# Altium PCB PDB_Core_v1.1_PCB.PcbDoc (part 1 of 2) (continued)
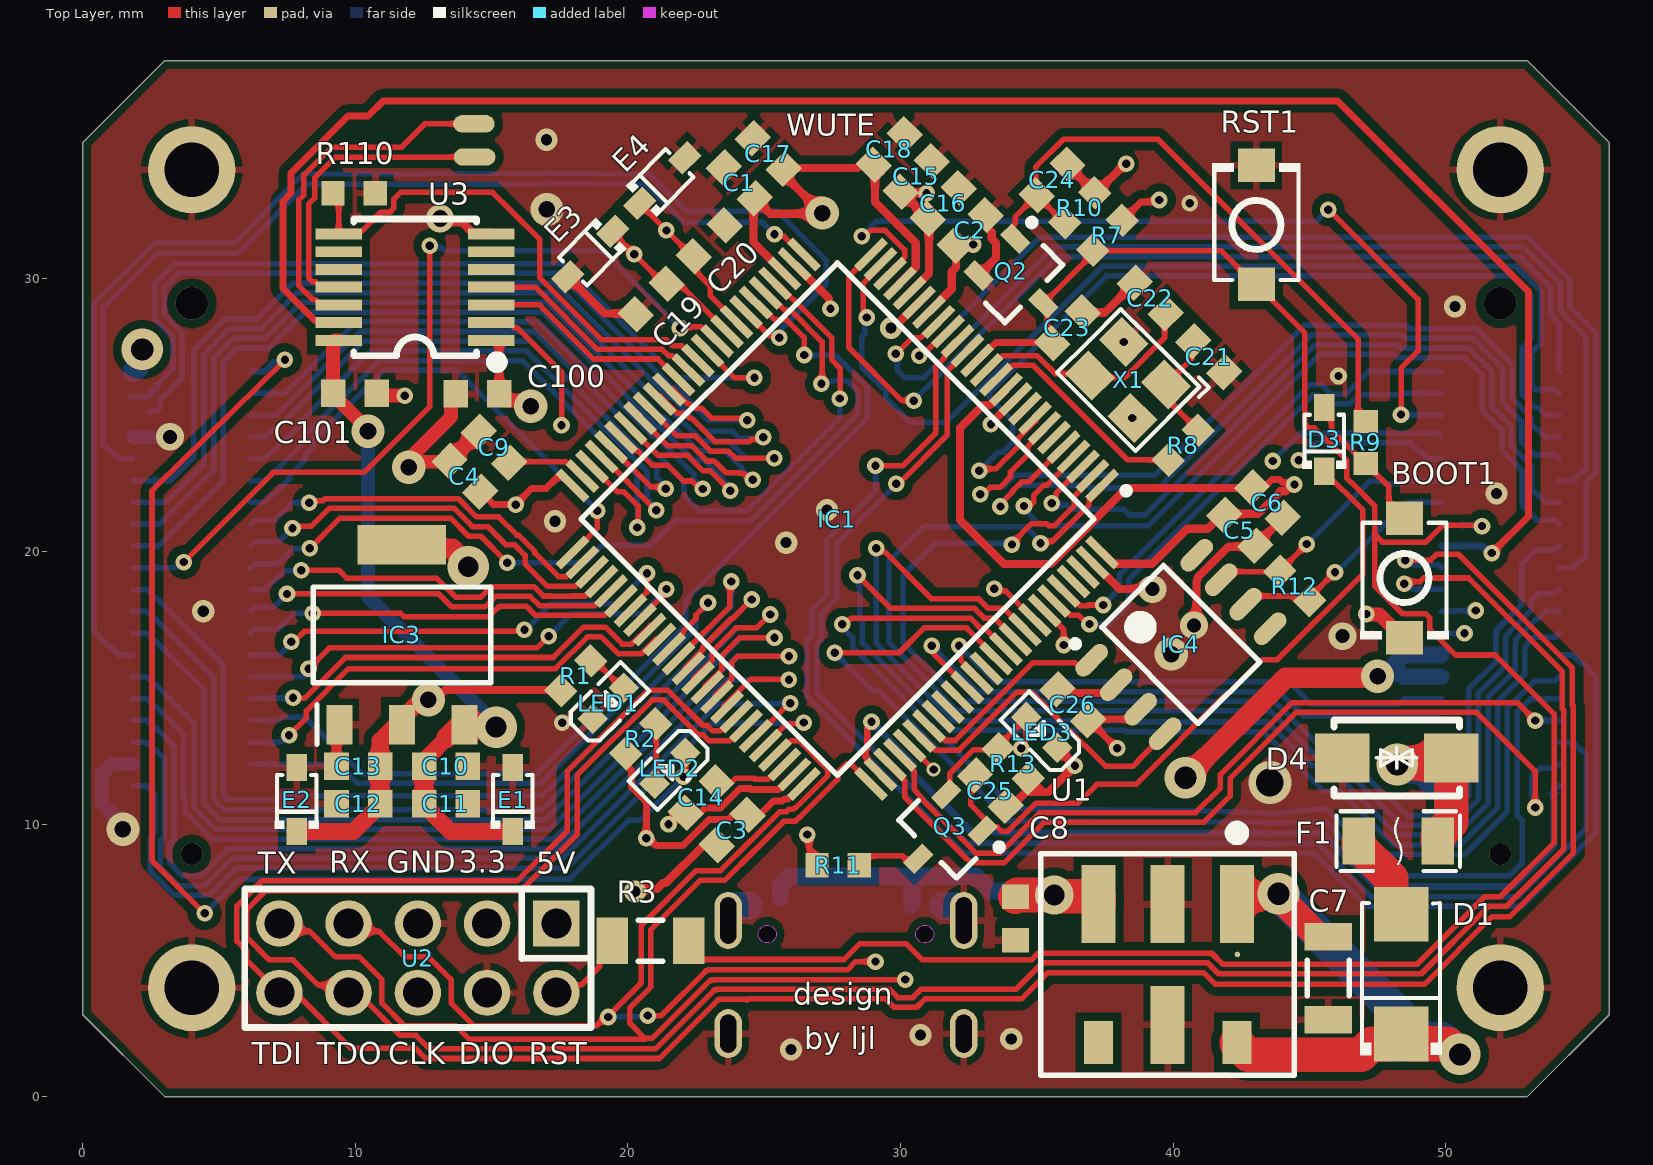
[diagram p0: Top Layer view]
## Components (designator, comment, footprint, x,y, rotation, side; value= is the part's Value field where it differs from the comment)
BOOT1 "TS-1088-AR02016" SW-SMD_L3.9-W3.0-P4.45 48.489,19.025 r270 top
C1 "100nF" CAPC1608X08N__0603CAPUNPOLE 24.079,33.528 r315 top
C2 "100nF" CAPC1608X08N__0603CAPUNPOLE 32.563,31.775 r225 top
C3 "100nF" CAPC1608X08N__0603CAPUNPOLE 23.825,9.779 r45 top
C4 "100nF" CAPC1608X08N__0603CAPUNPOLE 14.021,22.758 r315 top
C5 "100nF" CAPC1608X08N__0603CAPUNPOLE 42.443,20.777 r135 top
C6 "100nF" CAPC1608X08N__0603CAPUNPOLE 43.459,21.793 r135 top
C7 "10uF 50V" CAPC3216X16N_1206CAPUNPOLE 45.695,4.343 r90 top
C8 "22uF\10V" CAPC1608X08N__0603CAPUNPOLE 34.214,6.528 r90 top
C9 "2.2uF" CAPC1608X08N__0603CAPUNPOLE 15.088,23.825 r135 top
C10 "10uF" CAPC1608X08N__0603CAPUNPOLE 13.322,12.116 r180 top
C11 "100nF" CAPC1608X08N__0603CAPUNPOLE 13.322,10.744 r180 top
C12 "10uF" CAPC1608X08N__0603CAPUNPOLE 10.109,10.744 r0 top
C13 "100nF" CAPC1608X08N__0603CAPUNPOLE 10.109,12.116 r0 top
C14 "2.2uF" CAPC1608X08N__0603CAPUNPOLE 22.682,10.973 r225 top
C15 "100nF" CAPC1608X08N__0603CAPUNPOLE 30.582,33.757 r225 top
C16 "10uF" CAPC1608X08N__0603CAPUNPOLE 31.572,32.766 r225 top
C17 "10uF" CAPC1608X08N__0603CAPUNPOLE 25.146,34.595 r315 top
C18 "100nF" CAPC1608X08N__0603CAPUNPOLE 29.591,34.747 r225 top
C19 "100nF" CAPC1608X08N__0603CAPUNPOLE 20.853,29.261 r45 top
C20 "100nF" CAPC1608X08N__0603CAPUNPOLE 22.987,31.394 r225 top
C21 "12pF" CAPC1608X08N__0603CAPUNPOLE 41.307,27.146 r315 top
C22 "12pF" CAPC1608X08N__0603CAPUNPOLE 39.16,29.293 r315 top
C23 "100nF" CAPC1608X08N__0603CAPUNPOLE 36.126,28.201 r225 top
C24 "100nF" CAPC1608X08N__0603CAPUNPOLE 35.56,33.63 r225 top
C25 "100nF" CAPC1608X08N__0603CAPUNPOLE 33.299,11.227 r135 top
C26 "100nF" CAPC1608X08N__0603CAPUNPOLE 36.322,14.376 r315 top
C100 "100nF" CAPC1608X08N__0603CAPUNPOLE 14.478,25.781 r0 top
C101 "100nF" CAPC1608X08N__0603CAPUNPOLE 9.982,25.806 r180 top
CN1 "BTB_0.8mm_40Pin_Father" BTB_0.8MM_40PIN_F 4,19 r180 bottom
CN2 "BTB_0.8mm_40Pin_Father" BTB_0.8MM_40PIN_F 52,19 r180 bottom
D1 "SS34" SMA_L4.3-W2.6-LS5.2-RD 48.362,4.496 r90 top
D3 "1N4148WS_C2128" SOD-323_L1.8-W1.3-LS2.5-RD 45.542,24.11 r90 top
D4 "SMAJ28CA" SMA_L4.3-W2.5-LS5.0-BI 48.209,12.421 r0 top
E1 "CESD5V0D3 ZA" SOD-323_L1.8-W1.3-LS2.5-RD 15.773,10.897 r90 top
E2 "CESD3V3D3 YU" SOD-323_L1.8-W1.3-LS2.5-RD 7.849,10.897 r90 top
E3 "CESD3V3D3 YU" SOD-323_L1.8-W1.3-LS2.5-RD 18.618,30.912 r225 top
E4 "CESD3V3D3 YU" SOD-323_L1.8-W1.3-LS2.5-RD 21.26,33.604 r45 top
F1 "JK-nSMD050-30" F1206 48.26,9.373 r180 top
IC1 "STM32F407VET6" QFP50P1600X1600X160-100N 27.686,21.184 r225 top
IC3 "AMS1117-3.3" SOT229P700X180-4N 11.709,16.942 r90 top
IC4 "TJA1050T_CM,118" SOIC127P600X175-8N 40.284,16.586 r315 top
LED1 "0603_R" LED0603-RD_RED 19.279,14.427 r45 top
LED2 "0603_R" LED0603-RD_RED 21.539,12.04 r225 top
LED3 "0603_R" LED0603-RD_RED 35.179,13.36 r135 top
Q2 "S8050-SOT23" SOT95P245X110-3N 34.392,29.947 r135 top
Q3 "S8050-SOT23" SOT95P245X110-3N 31.496,9.576 r45 top
R1 "1K" RESC1608X04N_0603RES 18.085,15.443 r45 top
R2 "1K" RESC1608X04N_0603RES 20.472,13.132 r225 top
R3 "1K" RESC3116X06N__1206RES 20.828,5.715 r0 top
R7 "10k" RESC1608X04N_0603RES 37.592,31.598 r45 top
R8 "22Ω" RESC1608X04N_0603RES 40.375,23.891 r45 top
R9 "10K" RESC1608X04N_0603RES 47.066,23.996 r90 top
R10 "10K" RESC1608X04N_0603RES 36.576,32.614 r225 top
R11 "1K" RESC1608X04N_0603RES 27.711,8.484 r180 top
R12 "120Ω" RESC1608X04N_0603RES 44.465,18.731 r135 top
R13 "10K" RESC1608X04N_0603RES 34.138,12.217 r135 top
R110 "10K" RESC1608X04N_0603RES 9.957,33.147 r180 top
RST1 "TS-1088-AR02016" SW-SMD_L3.9-W3.0-P4.45 43.053,31.979 r90 top
U1 "K7805MT_1000R4" K7805MT_500R4 39.802,4.846 r180 top
U2 "ZX-PZ2.54-2-5PZZ" HDR-TH_10P-P2.54-V-M-R2-C5-S2.54 12.294,5.08 r180 top
U3 "TXS0104EPWR" TSSOP-14_L5.0-W4.4-P0.65-LS6.4-BL 12.192,29.693 r90 top
USB1 "TYPE-C16PIN" USB-C-SMD_TYPE-C16PIN 28,4.673 r180 bottom
X1 "X322525MOB4SI" OSC-SMD_4P-L3.2-W2.5-BL 38.347,26.289 r135 top value=25MHz

## Footprints (in the part's own frame and the unit in brackets; to place one, negate y for a bottom-side part, rotate by r counter-clockwise, add the part's x,y. Pads: shape width x height; smd on the part's side, far side on the other; paste and mask are expansions set on the pad)
BTB_0.8MM_40PIN_F [mm] "0.8单槽板对板公母座合高5.0，母座，40PIN"
  rect 1.5x0.5 smd: 1(2.16,7.6) 2(2.16,6.8) 3(2.16,6) 4(2.16,5.2) 5(2.16,4.4) 6(2.16,3.6) 7(2.16,2.8) 8(2.16,2) 9(2.16,1.2) 10(2.16,0.4) 11(2.16,-0.4) 12(2.16,-1.2) 13(2.16,-2) 14(2.16,-2.8) 15(2.16,-3.6) 16(2.16,-4.4) 17(2.16,-5.2) 18(2.16,-6) 19(2.16,-6.8) 20(2.16,-7.6) 21(-2.16,-7.6) 22(-2.16,-6.8) 23(-2.16,-6) 24(-2.16,-5.2) 25(-2.16,-4.4) 26(-2.16,-3.6) 27(-2.16,-2.8) 28(-2.16,-2) 29(-2.16,-1.2) 30(-2.16,-0.4) 31(-2.16,0.4) 32(-2.16,1.2) 33(-2.16,2) 34(-2.16,2.8) 35(-2.16,3.6) 36(-2.16,4.4) 37(-2.16,5.2) 38(-2.16,6) 39(-2.16,6.8) 40(-2.16,7.6)
  silkscreen extent -2.16,-11 2.16,11
CAPC1608X08N__0603CAPUNPOLE [mm] "Chip Capacitor, 2-Leads, Body 1.60x0.80mm, IPC Medium Density"
  rect 0.9x1 smd: 1(-0.8,0) 2(0.8,0)
  body extent -0.8,-0.4 0.8,0.4, height 0.81
CAPC3216X16N_1206CAPUNPOLE [mm] "Chip Capacitor, 2-Leads, Body 3.20x1.60mm, IPC Medium Density"
  rect 1x1.75 smd: 1(-1.525,0) 2(1.525,0)
  silkscreen extent -0.65,-0.77 0.65,0.77, body extent -1.6,-0.8 1.6,0.8, height 1.7
F1206 [mm]
  rect 1.19x1.728 smd: 1(-1.445,0) 2(1.445,0)
  silkscreen extent -2.27,-1.09 2.27,1.09
HDR-TH_10P-P2.54-V-M-R2-C5-S2.54 [mm]
  rect 1.7x1.7 hole 1.1: 1(-5.08,-1.27)
  round 1.7 hole 1.1: 2(-5.08,1.27) 3(-2.54,-1.27) 4(-2.54,1.27) 5(0,-1.27) 6(0,1.27) 7(2.54,-1.27) 8(2.54,1.27) 9(5.08,-1.27) 10(5.08,1.27)
  silkscreen extent -6.35,-2.54 6.35,2.54
K7805MT_500R4 [mm]
  round 0.2 smd mask+0.1: 0(-2.557,-0.369)
  rect 1.25x2.87 smd mask+0.102: 1(-2.54,-2.215) 2(0,-2.215) 3(2.54,-2.215) 5(0,2.215)
  rect 1.05x1.58 smd mask+0.102: 4(2.54,2.86) 6(-2.54,2.86)
  silkscreen extent -4.65,-5.03 4.65,4.06, body extent -4.37,-3.53 4.63,3.47, height 3.1
LED0603-RD_RED [mm]
  rect 0.8x0.8 smd: 1(-0.8,-0.003) 2(0.8,0.003)
  silkscreen extent -1.49,-0.75 1.39,0.76
OSC-SMD_4P-L3.2-W2.5-BL [mm]
  rect 1.4x1.2 smd: 1(-1.1,-0.875) 2(1.1,-0.875) 3(1.1,0.875) 4(-1.1,0.875)
  silkscreen extent -2.29,-1.9 2.03,1.65
QFP50P1600X1600X160-100N [mm]
  rect 1.475x0.3 smd: 1(-7.738,6) 2(-7.738,5.5) 3(-7.738,5) 4(-7.738,4.5) 5(-7.738,4) 6(-7.738,3.5) 7(-7.738,3) 8(-7.738,2.5) 9(-7.738,2) 10(-7.738,1.5) 11(-7.738,1) 12(-7.738,0.5) 13(-7.738,0) 14(-7.738,-0.5) 15(-7.738,-1) 16(-7.738,-1.5) 17(-7.738,-2) 18(-7.738,-2.5) 19(-7.738,-3) 20(-7.738,-3.5) 21(-7.738,-4) 22(-7.738,-4.5) 23(-7.738,-5) 24(-7.738,-5.5) 25(-7.738,-6) 51(7.738,-6) 52(7.738,-5.5) 53(7.738,-5) 54(7.738,-4.5) 55(7.738,-4) 56(7.738,-3.5) 57(7.738,-3) 58(7.738,-2.5) 59(7.738,-2) 60(7.738,-1.5) 61(7.738,-1) 62(7.738,-0.5) 63(7.738,0) 64(7.738,0.5) 65(7.738,1) 66(7.738,1.5) 67(7.738,2) 68(7.738,2.5) 69(7.738,3) 70(7.738,3.5) 71(7.738,4) 72(7.738,4.5) 73(7.738,5) 74(7.738,5.5) 75(7.738,6)
  rect 0.3x1.475 smd: 26(-6,-7.738) 27(-5.5,-7.738) 28(-5,-7.738) 29(-4.5,-7.738) 30(-4,-7.738) 31(-3.5,-7.738) 32(-3,-7.738) 33(-2.5,-7.738) 34(-2,-7.738) 35(-1.5,-7.738) 36(-1,-7.738) 37(-0.5,-7.738) 38(0,-7.738) 39(0.5,-7.738) 40(1,-7.738) 41(1.5,-7.738) 42(2,-7.738) 43(2.5,-7.738) 44(3,-7.738) 45(3.5,-7.738) 46(4,-7.738) 47(4.5,-7.738) 48(5,-7.738) 49(5.5,-7.738) 50(6,-7.738) 76(6,7.738) 77(5.5,7.738) 78(5,7.738) 79(4.5,7.738) 80(4,7.738) 81(3.5,7.738) 82(3,7.738) 83(2.5,7.738) 84(2,7.738) 85(1.5,7.738) 86(1,7.738) 87(0.5,7.738) 88(0,7.738) 89(-0.5,7.738) 90(-1,7.738) 91(-1.5,7.738) 92(-2,7.738) 93(-2.5,7.738) 94(-3,7.738) 95(-3.5,7.738) 96(-4,7.738) 97(-4.5,7.738) 98(-5,7.738) 99(-5.5,7.738) 100(-6,7.738)
  silkscreen extent -8.35,-6.65 6.65,6.87, body extent -8,-8 8,8, height 1.6
RESC1608X04N_0603RES [mm] "Chip Resistor, 2-Leads, Body 1.60x0.80mm, IPC Medium Density"
  rect 0.85x0.9 smd: 1(-0.775,0) 2(0.775,0)
  body extent -0.8,-0.4 0.8,0.4, height 0.47
RESC3116X06N__1206RES [mm] "Chip Resistor, 2-Leads, Body 3.10x1.58mm, IPC Medium Density"
  rect 1.15x1.7 smd: 1(-1.4,0) 2(1.4,0)
  silkscreen extent -0.45,-0.75 0.45,0.75, body extent -1.6,-0.8 1.6,0.8, height 0.62
SMA_L4.3-W2.5-LS5.0-BI [mm]
  rect 2x1.8 smd: 1(-2,0) 2(2,0)
  silkscreen extent -2.3,-1.4 2.3,1.4
SMA_L4.3-W2.6-LS5.2-RD [mm]
  rect 2x2 smd: 1(-2.2,0) 2(2.2,0)
  silkscreen extent -2.98,-1.5 2.6,1.5
SOD-323_L1.8-W1.3-LS2.5-RD [mm]
  rect 1x0.75 smd: 1(-1.173,0) 2(1.173,0)
  silkscreen extent -1.08,-0.8 0.9,0.8
SOIC127P600X175-8N [mm] "SOIC, 8-Leads, Body 4.90x3.89mm, Pitch 1.27mm, IPC Medium Density"
  oval 0.6x1.45 smd: 1(-1.905,-2.725) 2(-0.635,-2.725) 3(0.635,-2.725) 4(1.905,-2.725) 5(1.905,2.725) 6(0.635,2.725) 7(-0.635,2.725) 8(-1.905,2.725)
  silkscreen extent -2.88,-2.85 2.5,1.6, body extent -2.5,-3.08 2.5,3.08, height 2
SOT95P245X110-3N [mm] "SOT23, 3-Leads, Body 2.90x2.45mm, Pitch 0.95mm, IPC Medium Density"
  rect 1x0.6 smd: 1(1.2,-0.95) 2(1.2,0.95) 3(-1.2,0)
  silkscreen extent -0.7,-1.92 1.32,1.5, body extent -1.18,-1.45 1.18,1.45, height 1
SOT229P700X180-4N [mm]
  rect 1.45x0.95 smd: 1(-3.3,2.29) 2(-3.3,0) 3(-3.3,-2.29)
  rect 1.45x3.25 smd: 4(3.3,0)
  silkscreen extent -4.03,-3.25 1.75,3.25, body extent -3.35,-3.15 3.35,3.15, height 1.8
SW-SMD_L3.9-W3.0-P4.45 [mm]
  rect 1.23x1.36 smd: 1(-2.185,0) 2(2.185,0)
  silkscreen extent -2.03,-1.62 2.25,1.62
TSSOP-14_L5.0-W4.4-P0.65-LS6.4-BL [mm]
  rect 0.4x1.7 smd: 1(-1.95,-2.8) 2(-1.3,-2.8) 3(-0.65,-2.8) 4(0,-2.8) 5(0.65,-2.8) 6(1.3,-2.8) 7(1.95,-2.8) 8(1.95,2.8) 9(1.3,2.8) 10(0.65,2.8) 11(0,2.8) 12(-0.65,2.8) 13(-1.3,2.8) 14(-1.95,2.8)
  silkscreen extent -2.95,-3.2 2.5,2.25
USB-C-SMD_TYPE-C16PIN [mm]
  oval 1x2.1 hole 0.6 slot 1.7 at 90 deg: 1(-4.32,1.787) 2(4.32,1.787)
  oval 1x1.8 hole 0.6 slot 1.4 at 90 deg: 3(-4.32,-2.362) 4(4.32,-2.362)
  rect 0.6x1.15 smd paste-100: A1B12(-3.2,2.362) A4B9(-2.4,2.362) B1A12(3.2,2.362) B4A9(2.4,2.362)
  rect 0.3x1.15 smd paste-100: A5(-1.25,2.362) A6(-0.25,2.362) A7(0.25,2.362) A8(-1.75,2.362) B5(1.75,2.362) B6(0.75,2.362) B7(-0.75,2.362) B8(1.25,2.362)
  Keep-Out Layer board cut-out: -2.565,1.288 -2.565,1.353 -2.614,1.472 -2.706,1.564 -2.825,1.613 -2.955,1.613 -3.074,1.564 -3.165,1.472 -3.215,1.353 -3.215,1.288 -3.215,1.224 -3.166,1.104 -3.074,1.013 -2.955,0.963 -2.825,0.963 -2.706,1.013 -2.615,1.104 -2.565,1.223 -2.565,1.288 -2.565,1.288
  Keep-Out Layer board cut-out: 3.215,1.288 3.215,1.353 3.166,1.472 3.074,1.564 2.955,1.613 2.825,1.613 2.706,1.564 2.615,1.472 2.565,1.353 2.565,1.288 2.565,1.224 2.614,1.104 2.706,1.013 2.825,0.963 2.955,0.963 3.074,1.013 3.165,1.104 3.215,1.223 3.215,1.288 3.215,1.288
  silkscreen extent -4.45,-5 4.45,0.52

## Part data
BOOT1 RST1: "Switch", Manufacturer_Name=XUNPU, Datasheet Link=https://www.xunpudianzi.com/uploads/pdf/TS-1088-ARXXX.pdf, Height=2mm, Manufacturer_Part_Number=TS-1088-AR02016
C1 C2 C3 C4 C5 C6 C9 C10 C11 C12 C13 C14 C15 C16 C17 C18 C19 C20 C21 C22 C23 C24 C25 C26 C100 C101: library part SMD_MLCC, "Std MLCC Cap", voltage rating=?V
  C1 C2 C3 C4 C5 C6 C11 C13 C15 C18 C19 C20 C23 C24 C25 C26 C100 C101: Type=100nF
  C9 C14: Type=2.2uF
  C10 C12 C16 C17: Type=10uF
  C21 C22: Type=12pF
C7 C8: library part SMD_MLCC, "Std MLCC Cap"
  C7: Type="10uF 50V"
  C8: Type=22uF\10V
D1: library part SS34_C8678, "二极管配置:独立式;直流反向耐压(Vr):40V;平均整流电流(Io):3A;正向压降(Vf):550mV@3A; C8678", Average Rectified Current (Io)=3A, Forward Voltage (Vf@If)=550mV@3A, LCSC Part Name="40V 3A 550mV@3A", Manufacturer=MDD, Reverse Leakage Current (Ir)=500uA@40V, Reverse Voltage (Vr)=40V, Add into BOM=yes, Convert to PCB=yes, Datasheet=https://atta.szlcsc.com/upload/public/pdf/source/20230314/A80AE34493C69B89E2F4B1712F433538.pdf, Device=SS34_C8678, Diode Configuration=独立式, Manufacturer Part=SS34, Name=SS34, Supplier=LCSC, Supplier Footprint=SMA(DO-214AC), Supplier Part=C8678, Symbol=SS34_C8678
D3: "二极管配置:独立式;功率:200mW;直流反向耐压(Vr):100V;平均整流电流(Io):150mA;正向压降(Vf):1.25V@150mA;反向电流(Ir):1uA@75V;反向恢复时间(trr):4ns;工作温度:+150℃@(Tj);", Average Rectified Current (Io)=150mA, Forward Voltage (Vf@If)=1.25V@150mA, LCSC Part Name="100V 150mA 4ns T4", Manufacturer=CJ(江苏长电/长晶), Manufacturer Part=1N4148WS, Operating Temperature=+150℃@(Tj), Power Dissipation=200mW, Reverse Leakage Current=1uA@75V, Reverse Voltage (Vr)=100V, Add into BOM=yes, Convert to PCB=yes, Device=1N4148WS_C2128, Diode Configuration=独立式, Name=1N4148WS, Reverse Recovery Time (trr)=4ns, Supplier=LCSC, Supplier Footprint=SOD-323, Supplier Part=C2128, Symbol="1N4148WS T4"
D4: library part SMAJ28CA_C353457, "C353457", Breakdown Voltage=31.1V, JLCPCB Part Class="Extended Part", LCSC Part Name="双向TVS 28V截止 8.8A峰值脉冲", Manufacturer=晶导微电子, Maximum Clamping Voltage=45.4V, Peak Pulse Current (Ipp)@10/1000us=8.8A, Reverse Leakage Current (Ir)=1uA, Reverse Stand-Off Voltage (Vrwm)=28V, Add into BOM=yes, Convert to PCB=yes, Datasheet=https://atta.szlcsc.com/upload/public/pdf/source/20190103/C353498_9C52E1B7CA7D9691073072057BB1DA1A.pdf, Device=SMAJ28CA_C353457, Manufacturer Part=SMAJ28CA, Supplier=LCSC, Supplier Footprint=SMA, Supplier Part=C353457, Symbol=SMAJ28CA_C353457, Type=TVS
E1: Breakdown Voltage (VBR)=6.2V, Clamping Voltage@Ipp=15.5V, JLCPCB Part Class="Extended Part", LCSC Part Name=单向ESD, Manufacturer=CJ(江苏长电/长晶), Peak Pulse Current(Ipp)@8/20us=15A, Reverse Stand-Off Voltage (Vrwm)=5V, Add into BOM=yes, Convert to PCB=yes, Datasheet=https://atta.szlcsc.com/upload/public/pdf/source/20140301/1457707004115.pdf, Device="CESD5V0D3 ZA", Manufacturer Part="CESD5V0D3 ZA", Name="CESD5V0D3 ZA", Polarity=单向, Supplier=LCSC, Supplier Footprint=SOD-323, Supplier Part=C22643, Symbol="CESD5V0D3 ZA"
E2 E3 E4: "极性:单向;反向截止电压(Vrwm):3.3V;击穿电压(VBR):5V;钳位电压(Vc)@Ipp:13V;", Breakdown Voltage (VBR)=5V, Clamping Voltage@Ipp=13V, LCSC Part Name=单向ESD, Manufacturer=CJ(江苏长电/长晶), Peak Pulse Current(Ipp)@8/20us=16A, Reverse Stand-Off Voltage (Vrwm)=3.3V, Add into BOM=yes, Convert to PCB=yes, Datasheet=https://atta.szlcsc.com/upload/public/pdf/source/20150915/1457707371129.pdf, Device="CESD3V3D3 YU", Manufacturer Part="CESD3V3D3 YU", Name="CESD3V3D3 YU", Polarity=单向, Supplier=LCSC, Supplier Footprint=SOD-323, Supplier Part=C38388, Symbol=CESD3V3D3
F1: "C720075", Current Rating (Max)=100A, Hold Current=500mA, JLCPCB Part Class="Extended Part", LCSC Part Name="30V 500mA 1206自恢复", Manufacturer=JK(金科), Operating Temperature=-40℃~+85℃, Operating Voltage (Max)=30V, Power Dissipation=600mW, Resistance - Initial (Ri) (Min)=150mΩ, Resistance - Post Trip (R1) (Max)=300mΩ, Trip Current=1A, Add into BOM=yes, Convert to PCB=yes, Datasheet=https://atta.szlcsc.com/upload/public/pdf/source/20200810/C720075_06AF2D4541537091880CC35F0EFB49F8.pdf, Device=JK-nSMD050-30, Manufacturer Part=JK-nSMD050-30, Maximum Time to Trip=100ms, Name=JK-nSMD050-30, Supplier=LCSC, Supplier Footprint=1206, Supplier Part=C720075, Symbol=JK-NSMD050-30V
IC1: "Integrated Circuit", Manufacturer_Name=STMicroelectronics, Mouser Part Number=511-STM32F407VET6, Arrow Part Number=STM32F407VET6, Arrow Price/Stock=https://www.arrow.com/en/products/stm32f407vet6/stmicroelectronics?region=nac, Datasheet Link=http://www.st.com/web/en/resource/technical/document/datasheet/DM00037051.pdf, Height=1.6mm, Manufacturer_Part_Number=STM32F407VET6, Mouser Price/Stock=https://www.mouser.co.uk/ProductDetail/STMicroelectronics/STM32F407VET6?qs=Z8%252BeY1k3TIJFAMMqSR%252BGtw%3D%3D
IC3: "Integrated Circuit", Manufacturer_Name=Advanced, Datasheet Link=https://datasheet.datasheetarchive.com/originals/distributors/Datasheets-28/DSA-550594.pdf, Height=1.8mm, Manufacturer_Part_Number=AMS1117-3.3
IC4: "Integrated Circuit", Arrow Part Number=TJA1050T/CM,118, Manufacturer_Name=NXP, Mouser Part Number=771-TJA1050T/CM118, Arrow Price/Stock=https://www.arrow.com/en/products/tja1050tcm118/nxp-semiconductors?region=europe, Datasheet Link=http://www.nxp.com/docs/en/data-sheet/TJA1050.pdf, Height=1.75mm, Manufacturer_Part_Number=TJA1050T/CM,118, Mouser Price/Stock=https://www.mouser.co.uk/ProductDetail/NXP-Semiconductors/TJA1050T-CM118?qs=5XOdhvmYM0NFFspw0VP5sA%3D%3D
LED1 LED2 LED3: library part LED, "Light Emitting Diode", Type=0805-R, Type2=DIP-HDR1*2-R
Q2 Q3: library part S8050, "Jellybeam NPN", Type=S8050-SOT23
R1 R2 R3 R7 R8 R9 R10 R11 R12 R13 R110: library part SMD_Resistor, "Std Resistor", power rating=100mW, voltage rating=75V
  R1 R2 R3 R11: Type=1K
  R7: Type=10k
  R8: Type=22Ω
  R9 R10 R13 R110: Type=10K
  R12: Type=120Ω
U1: library part K78052MT_1000R4
U2: Color=黑色, Current Rating (Max)=3A, JLCPCB Part Class="Extended Part", LCSC Part Name="间距:2.54mm 2x5P 直插 方针", Manufacturer=Megastar(兆星), Operating Temperature Range=-40℃~+105℃, Soldering Temperature(Max)=260℃@5s, Voltage Rating (Max)=1kV, Add into BOM=yes, Circluar Pins/Square Pins=方针, Contact Material=黄铜, Contact Plating=金, Convert to PCB=yes, Datasheet=https://atta.szlcsc.com/upload/public/pdf/source/20231122/7DD2FA5A7FDBC10CDDB6051CB6BC6AD1.pdf, Device=ZX-PZ2.54-2-5PZZ, Insulation Height=2.5mm, Length of End Connection Pin=3mm, Length of Mating Pin=6mm, Manufacturer Part=ZX-PZ2.54-2-5PZZ, Mounting Type=直插, Number of Pins=5P, Number of Rows=双排, Pin Structure=2x5P, Pitch=2.54mm, Row Spacing=2.54mm, Supplier=LCSC, Supplier Footprint=插件,P=2.54mm, Supplier Part=C7501276, Symbol=ZX-PZ2.54-2-5PZZ
U3: "C44955 电平转换芯片", JLCPCB Part Class="Extended Part", Manufacturer=TI(德州仪器), Operating Temperature=-40℃~+85℃, Supply Voltage (VCCA)=1.65V~3.6V, Supply Voltage (VCCB)=2.3V~5.5V, Add into BOM=yes, Channel Type=双向, Channels per Circuit=4, Convert to PCB=yes, Data Rate=24Mbps, Datasheet=https://www.ti.com/cn/lit/gpn/txs0104e, Device=TXS0104EPWR, Features=自动方向检测, LCSC Part Name=TXS0104EPWR, Manufacturer Part=TXS0104EPWR, Name=TXS0104EPWR, Number of Circuits=1, Output Type=推挽式；开路漏极, Supplier=LCSC, Supplier Footprint=TSSOP-14, Supplier Part=C44955, Symbol=TXS0104EPWR
USB1: "C393939", Current Rating - Power (Max)=3A, JLCPCB Part Class="Extended Part", LCSC Part Name="Type-C 母 卧贴", Manufacturer="SHOU HAN(首韩)", Operating Temperature Range=-40℃~+85℃, Add into BOM=yes, Connector Type=Type-C, Convert to PCB=yes, Datasheet=https://atta.szlcsc.com/upload/public/pdf/source/20190521/C393939_7B9043D4CF1026AF443AB60D91FBCD5C.pdf, Device=TYPE-C16PIN, Gender=母, Manufacturer Part=TYPE-C16PIN, Mounting Style=卧贴, Number of Contacts=16P, Number of Ports=1, Standard=-, Supplier=LCSC, Supplier Footprint=SMD, Supplier Part=C393939, Symbol=TYPE-C16PIN
X1: "频率:25MHz;频率公差:±10ppm;负载电容:12pF;", Frequency Stability=±30ppm, Frequency Tolerance=±10ppm, LCSC Part Name="25MHz ±10ppm 12pF YSX321SL", Load Capacitance=12pF, Manufacturer=YXC(扬兴晶振), Operating Temperature=-40℃~+85℃, Add into BOM=yes, Convert to PCB=yes, Crystal Type=贴片无源晶振, Datasheet=https://atta.szlcsc.com/upload/public/pdf/source/20210329/C112971_1F611BDC486E193C1706F6D8EB5AA189.pdf, Device=X322525MOB4SI, Manufacturer Part=X322525MOB4SI, Name=25MHz, Supplier=LCSC, Supplier Footprint=SMD3225-4P, Supplier Part=C9006, Symbol=X322525MOB4SI
CN1 CN2: System=Connector

## Free pads (board coordinates)
  round 3.2 hole 2: 3(4,4) 4(4,34) 5(52,34) 6(52,4)
  oval 1.524x0.635 smd: 7(14.351,35.687) 7(14.376,34.468)

## Via types
v1: diameter 0.61, hole 0.305, Top Layer to Bottom Layer, 113 vias
v2: diameter 0.813, hole 0.406, Top Layer to Bottom Layer, 12 vias
v3: diameter 1.219, hole 0.61, Top Layer to Bottom Layer, 9 vias
v4: diameter 1.524, hole 0.813, Top Layer to Bottom Layer, 5 vias
v5: diameter 1.016, hole 0.508, Top Layer to Bottom Layer, 4 vias
v6: diameter 1.524, hole 0.762, Top Layer to Bottom Layer, 2 vias
v7: diameter 1.2, hole 1.2, Top Layer to Bottom Layer, 2 vias
v8: diameter 0.8, hole 0.8, Top Layer to Bottom Layer, 2 vias
v9: diameter 1.016, hole 0.61, Top Layer to Bottom Layer, 1 vias
v10: diameter 0.508, hole 0.305, Top Layer to Bottom Layer, 1 vias
v11: diameter 1.575, hole 1.016, Top Layer to Bottom Layer, 1 vias
v12: diameter 1.422, hole 0.762, Top Layer to Bottom Layer, 1 vias

## Nets (pads, with @x,y where several pads share a name; then routed paths per layer and width w, separated by ;. In a path a pad name is that pad's centre, name@x,y a point inside that pad or via, vN(x,y) a via of type N, cw(c..) or ccw(c..) an arc to the next point about the centre after c; other vN are vias at no path point)
3.3V: BOOT1.2 C1.2 C2.2 C3.2 C4.2 C5.2 C6.2 C12.2 C13.2 C15.2 C16.2 C17.2 C18.2 C100.2 CN1.1 E2.1 IC1.11 IC1.19 IC1.21 IC1.22 IC1.28 IC1.50 IC1.75 IC1.100 IC3.2 IC3.4 R1.1 R2.2 R7.2 R11.2 U2.3 U3.1 | length 214.4
  Top Layer w0.254: C4.2@14.586,22.193 14.6,22.193 15.076,21.717 v1(15.88,21.717) 16.47,22.307 17.002,22.307 17.524,22.828 17.556,22.828 IC1.50@17.972,22.413 ; R2.2@19.924,12.584 19.924,12.162 20.131,11.956 20.131,11.356 20.674,10.813 20.674,9.476 v1(20.676,9.474) 20.772,9.474 21.042,9.204 22.015,9.204 22.976,10.164 23.683,10.164 23.899,10.38 24.356,10.38 C3.2@24.391,10.345 24.426,10.309 24.813,10.309 25.341,10.838 25.66,10.838 25.739,10.916 25.871,10.916 26.425,11.469 IC1.75@26.457,11.469 ; v1(26.583,9.612) 26.651,9.544 26.651,9.08 R11.2@26.911,8.82 ; C18.2@29.272,33.895 C18.2@29.298,33.895 ; R7.2@38.14,32.146 38.819,32.825 39.429,32.825 v1(39.497,32.893) ; C6.2@42.858,22.324 C6.2@42.894,22.359 43.351,22.359 43.623,22.631 43.9,22.631 44.009,22.522 44.382,22.522 v1(44.45,22.454)
  Top Layer w0.305: v3(12.681,14.554) 12.929,14.554 13.287,14.913 17.554,14.913 R1.1@17.613,14.971 ; U3.1@14.992,27.743 15.23,27.743 15.278,27.695 C100.2@15.278,25.781 ; IC1.28@25.75,30.191 24.61,31.331 24.61,32.927 C1.2@24.645,32.962 25.215,32.392 v3@27.109,32.392 ; v3(27.127,32.41) 25.712,33.826 C17.2@25.712,34.029 25.747,34.064 28.417,34.064 28.569,34.217 28.99,34.217 C18.2@29.025,34.182 29.061,34.146 29.061,32.821 30.556,31.325 30.556,30.421 29.976,29.841 IC1.22@29.976,29.837 ; IC1.21@30.329,29.484 30.329,29.487 31.042,30.2 31.042,32.165 C16.2@31.007,32.2 30.051,33.156 30.94,33.156 v1(30.956,33.14) ; IC1.19@31.036,28.777 31.036,28.78 31.879,29.623 31.879,30.27 32.032,30.423 32.032,31.174 32.586,31.174 v1(32.67,31.257) ; IC1.11@33.865,25.948 33.861,25.948 33.285,25.372 33.225,25.372 33.222,25.369 33.019,25.369 32.182,24.532 32.182,21.15 33.792,19.54 35.511,19.54 38.295,22.324 C6.2@42.858,22.324 ; IC1.100@37.4,19.955 37.812,19.543 39.221,19.543 39.224,19.539 40.513,20.828 41.261,20.828 41.776,21.343 C5.2@41.878,21.343 41.913,21.378 43.108,21.378 43.934,22.204 44.118,22.204 v1@44.368,22.454
  Top Layer w0.508: C100.2@15.278,25.781 15.278,25.731 15.474,25.535 v3@16.03,25.535 ; v1(47.092,17.704) 47.111,17.684 47.579,17.684 48.424,16.84 BOOT1.2@48.489,16.84
  Top Layer w0.61: E2.1@7.849,9.724 9.939,9.724 10.909,10.694 C12.2@10.909,10.744 C13.2@10.909,12.116 10.909,12.13 10.904,12.135 10.904,13.061 ; 11.1,13.257 11.373,13.53 11.539,13.53 11.612,13.603 11.612,13.769 v3@12.281,14.438
  Top Layer w0.762: IC3.4@11.709,20.242 12.953,20.145 13.55,20.098 13.77,19.878 v6(14.146,19.438)
  POWER w0.305: v6@14.148,20.067 15.798,21.717 v1(15.88,21.717)
  POWER w0.457: 13.581,15.003 14.146,15.003 15.477,15.003 16.808,13.672 16.808,13.393 18.562,11.639 18.562,11.587 v1(20.676,9.474) 20.717,9.474 20.991,9.2 22.37,9.2 22.782,9.612 v1(26.583,9.612)
  POWER w0.508: 18.898,32.385 19.152,32.639 ; 38.1,32.893 v1(39.497,32.893) ; v1(47.092,17.704) 47.111,17.723 47.111,18.688 47.447,19.025 47.447,19.456
  POWER w0.61: 14.147,25.281 16.391,25.281 v3(16.434,25.324) ; 26.619,35.973 27.127,35.465 v3(27.127,32.41) ; v1(30.956,33.14) 31.648,33.833 31.648,35.973 ; v1(32.67,31.257) 32.963,31.551 33.045,31.551 33.045,35.973 ; v1(44.45,22.454) 44.942,22.454 45.719,23.23 45.719,23.722 46.495,24.498
  POWER w1.016: 14.147,21.682 14.147,25.281 14.147,27.634 18.898,32.385 ; 19.152,32.639 22.486,35.973 26.619,35.973 27.127,35.973 31.648,35.973 33.045,35.973 35.02,35.973 38.1,32.893 46.495,24.498 47.405,23.588 47.405,22.833 47.447,22.791 47.447,19.456
  POWER w1.27: v4(2.184,27.409) 2.253,27.409 5.126,24.536 8.103,24.536 12.421,20.218 13.297,20.218 v6@14.077,19.438 ; v3(12.681,14.554) 12.681,9.62 14.751,7.55 14.751,6.432 U2.3@14.834,6.35 ; v3@13.132,14.554 13.581,15.003 14.146,15.569 v6(14.146,19.438) ; v6@14.098,19.487 14.098,21.274
  Bottom Layer w0.762: CN1.1@1.84,26.6 1.908,26.6 2.039,26.731 2.039,27.263 v4(2.184,27.409)
5V: C8.2 C10.2 C11.2 C26.2 C101.2 CN2.14 CN2.15 E1.1 IC3.3 IC4.3 U1.3 U2.1 U3.14 USB1.A4B9 USB1.B4A9 | length 95.7
  Top Layer w0.254: C26.2@36.913,13.811 v1(37.948,12.776) ; C26.2@36.923,13.846 38.442,13.846 IC4.3@38.807,14.21
  Top Layer w0.508: U3.14@9.392,27.743 9.236,27.743 9.182,27.689 C101.2@9.182,25.806 9.182,25.756 10.465,24.474 v3(10.465,24.409)
  Top Layer w0.61: C10.2@12.522,12.116 C11.2@12.522,10.744 12.522,10.694 13.492,9.724 E1.1@15.773,9.724 ; C10.2@12.667,12.461 13.351,13.145 13.351,13.176
  Top Layer w0.762: 13.351,13.176 13.798,13.603 13.905,13.675 13.936,13.705 13.999,13.769 13.999,13.694 14.093,13.6 15.12,13.6 v6(15.162,13.557) ; v4(40.452,11.694) 44.12,15.361 47.444,15.361 v3(47.501,15.418)
  Top Layer w1.27: C8.2@34.214,7.328 34.28,7.394 v12(35.638,7.394) 35.687,7.345 37.252,7.345 37.262,7.335 U1.3@37.262,7.061
  POWER w0.508: v1(37.948,12.776) 37.948,11.467 37.973,11.442 37.973,10.16
  POWER w1.016: v6(15.162,13.557) 15.162,11.787 17.374,9.576 U2.1@17.374,6.35 ; U2.1@17.958,6.35 20.777,6.35 22.78,8.353 27.135,8.353 28.761,9.978 ; 28.839,10.023 28.884,9.978 37.791,9.978 ; 37.973,10.135 39.205,10.135 40.31,11.24 40.31,11.414 40.452,11.556 v4(40.452,11.694)
  POWER w1.27: v12(35.638,7.394) 35.664,7.394 37.791,9.521 37.791,9.623 ; 37.973,9.978 37.973,10.135 37.973,10.16
  Bottom Layer w0.508: v3(10.465,24.409) 10.465,18.351 15.162,13.654 v6(15.162,13.557)
  Bottom Layer w0.61: v3(47.501,15.418) 47.666,15.418 48.448,16.2 CN2.14@49.84,16.2 ; 48.176,15.526 48.343,15.526 48.469,15.4 CN2.15@49.84,15.4
  Bottom Layer w0.635: USB1.B4A9@25.6,7.293 25.6,7.775 25.907,8.082 30.707,8.082 ; USB1.A4B9@30.4,7.036 30.418,7.053 30.418,7.793 30.707,8.082 ; 34.163,7.544 33.302,7.544 32.764,8.082 30.707,8.082
  Bottom Layer w0.762: 34.163,7.544 34.167,7.539 35.493,7.539 v12(35.638,7.394)
ACCU_PWR_EN: CN1.35 IC1.48 | length 22.9
  Top Layer w0.203: IC1.48@18.69,23.177 18.69,23.109 19.611,22.187 19.854,22.187 20.371,21.67 20.371,20.903 v1(20.347,20.879)
  Bottom Layer w0.203: CN1.35@6.16,22.6 6.66,22.6 6.956,22.896 7.015,22.896 8.1,23.981 8.1,24.209 10.892,27 16.124,27 20.344,22.78 20.344,20.882 v1(20.347,20.879)
ACCU_UBR_EN: CN1.16 IC1.66 | length 34.3
  Top Layer w0.203: IC1.66@23.186,14.698 23.807,15.319 23.807,15.928 24.035,16.156 v1(25.908,16.156)
  Bottom Layer w0.203: CN1.16@1.84,14.6 2.34,14.6 2.636,14.304 2.695,14.304 3.708,13.291 3.708,10.984 3.734,10.959 3.734,10.815 3.734,10.456 4.74,9.449 17.276,9.449 23.984,16.156 v1(25.908,16.156)
Backup_5V_ctrl1: pad.7@14.351,35.687 U3.12 | length 12.9
  Top Layer w0.203: U3.12@9.392,29.043 8.742,29.043 8.546,29.239 8.437,29.239 7.932,29.743 7.932,32.895 8.114,33.077 8.114,33.816 9.121,34.823 11.684,34.823 12.548,35.687 pad.7@14.351,35.687
Backup_5V_ctrl1_a: IC1.39 U3.3 | length 8
  Top Layer w0.203: U3.3@14.992,29.043 16.757,29.043 18.741,27.058 21.104,27.058 IC1.39@21.861,26.302
Backup_5V_ctrl2: pad.7@14.376,34.468 U3.11 | length 11.2
  Top Layer w0.203: U3.11@9.392,29.693 8.742,29.693 8.546,29.889 8.437,29.889 8.288,30.037 8.288,32.748 8.503,32.963 8.503,33.702 9.268,34.468 pad.7@14.376,34.468
Backup_5V_ctrl2_a: IC1.38 U3.4 | length 8.5
  Top Layer w0.203: U3.4@14.992,29.693 16.61,29.693 18.889,27.414 21.252,27.414 21.482,27.183 21.551,27.183 21.553,27.181 21.62,27.181 22.146,26.655 IC1.38@22.214,26.655
BAT_voltage_IN14: C20.2 CN2.5 E4.1 IC1.33 | length 39.9
  Top Layer w0.203: E4.1@20.431,32.775 20.431,32.757 v1(21.412,31.775) 22.359,30.829 C20.2@22.421,30.829 22.421,30.336 23.012,29.746 23.012,29.393 23.914,28.491 23.982,28.491 IC1.33@23.982,28.423
  POWER w0.203: v1(21.412,31.775) 24.887,28.301 24.887,27.559 26.438,26.007 26.438,25.872 26.825,25.486 26.96,25.486 28.138,24.308 29.266,24.308 32.296,24.308 32.603,24.001 35.257,24.001 36.525,22.733 41.946,22.733 43.241,24.028 43.921,24.028 v1(44.608,23.341)
  Bottom Layer w0.203: v1(44.608,23.341) 45.251,23.984 48.697,23.984 48.985,23.696 49.044,23.696 49.34,23.4 CN2.5@49.84,23.4
BAT_voltage_IN15: C19.2 CN2.4 E3.1 IC1.34 | length 39.9
  Top Layer w0.203: E3.1@19.447,31.741 19.447,31.686 v1(20.229,30.905) 21.307,29.826 21.872,29.826 IC1.34@23.629,28.069
  POWER w0.203: v1(20.229,30.905) 20.229,30.814 22.282,28.76 23.183,28.76 26.083,25.86 26.083,25.725 26.678,25.13 26.813,25.13 27.991,23.952 32.149,23.952 32.456,23.645 35.11,23.645 36.377,22.377 42.711,22.377 v1(43.651,23.317)
  Bottom Layer w0.203: v1(43.651,23.317) 44.673,24.34 49.7,24.34 CN2.4@49.84,24.2
BDU_PWR_EN: CN1.28 IC1.56 | length 14.4
  Top Layer w0.203: v1(8.433,17.729) 11.663,17.729 11.783,17.609 14.904,17.609 15.219,17.925 cw(c15.363,17.781) 15.359,17.984 16.097,17.996 16.265,17.996 16.325,17.936 16.608,17.653 16.86,17.653 16.862,17.651 18.251,17.651 18.253,17.653 19.137,17.653 19.671,18.187 IC1.56@19.74,18.187
  Bottom Layer w0.203: CN1.28@6.16,17 6.308,17.148 7.172,17.148 7.753,17.729 v1(8.433,17.729)
BOOT0: IC1.94 LED3.2 Q3.2 R13.2 | length 11.6
  Top Layer w0.203: Q3.2@31.763,11.238 31.814,11.288 31.814,11.646 31.808,11.652 31.808,11.862 32.664,12.718 33.085,12.718 33.165,12.799 33.521,12.799 LED3.2@34.611,13.889 ; v1(34.431,12.776) 34.431,12.886 34.611,13.066 LED3.2@34.611,13.889 ; LED3.2@34.611,13.923 LED3.2@34.611,13.889 ; IC1.94@35.279,17.833 35.987,17.125 v1(35.987,16.568)
  POWER w0.203: v1(34.431,12.776) 36.108,14.453 36.108,16.273 36.065,16.316 36.065,16.49 v1(35.987,16.568)
BSPD_PWR_EN: CN1.36 IC1.47 | length 22.4
  Top Layer w0.203: IC1.47@19.071,23.473 v1(21.036,21.508)
  Bottom Layer w0.203: CN1.36@6.16,23.4 6.66,23.4 6.956,23.696 7.015,23.696 7.964,24.645 7.964,24.753 10.566,27.356 16.271,27.356 17.945,25.683 20.46,23.168 20.7,22.928 20.7,21.954 21.036,21.618 v1(21.036,21.508)
BUZZER_PWR_EN: CN1.22 IC1.61 | length 22.4
  Top Layer w0.203: IC1.61@21.473,16.453 22.033,17.014 22.033,17.081 22.497,17.545 22.497,17.673 v1(22.936,18.112)
  Bottom Layer w0.203: CN1.22@6.16,12.2 9.37,12.2 10.076,11.494 16.807,11.494 22.479,17.166 22.479,17.655 v1(22.936,18.112)
CAN1_RX_PD0: IC1.81 IC4.4 | length 11.8
  Top Layer w0.203: IC1.81@30.683,13.237 30.751,13.237 31.281,12.707 32.15,12.707 34.28,14.837 34.795,14.837 36.747,12.885 36.764,12.885 37.533,12.116 38.526,12.116 38.695,12.285 38.695,12.303 IC4.4@39.705,13.312
CAN1_TX_PD1: IC1.82 IC4.1 | length 7.5
  Top Layer w0.203: IC1.82@31.036,13.591 31.105,13.591 31.633,13.063 32.003,13.063 34.847,15.907 36.401,15.907 36.527,15.782 36.786,15.782 IC4.1@37.01,16.006
CAN_H: CN2.6 IC4.7 R12.2 | length 9.7
  Top Layer w0.203: IC4.7@41.762,18.962 42.061,19.261 43.899,19.261 R12.2@43.917,19.279 v1(44.907,20.269)
  Bottom Layer w0.203: v1(44.907,20.269) 47.219,22.581 47.706,22.581 47.801,22.485 48.349,22.485 48.464,22.6 CN2.6@49.84,22.6
CAN_L: CN2.7 IC4.6 R12.1 | length 9
  Top Layer w0.203: IC4.6@42.66,18.064 42.961,18.365 44.338,18.365 44.538,18.165 44.995,18.165 44.995,18.294 v1(45.939,19.238)
  Bottom Layer w0.203: v1(45.939,19.238) 46.009,19.238 48.572,21.8 CN2.7@49.84,21.8
DRS_CTRL: CN2.9 U3.13 | length 68.4
  Top Layer w0.254: U3.13@9.392,28.393 9.319,28.466 8.524,28.466 7.341,29.649 7.341,32.842 7.639,33.141 7.639,33.88 9.725,35.966 10.465,35.966 11.024,36.525 46.034,36.525 53.032,29.527 53.032,21.282 v1(51.689,19.939)
  Bottom Layer w0.254: CN2.9@49.84,20.2 51.332,20.2 51.593,19.939 v1(51.689,19.939)
DRS_CTRL_a: IC1.93 U3.2 | length 26.7
  Top Layer w0.203: U3.2@14.992,28.393 15.642,28.393 15.838,28.197 15.947,28.197 17.565,26.579 v1(17.565,24.626) ; v1(33.434,18.626) 33.512,18.548 33.857,18.548 IC1.93@34.925,17.48 IC1.93@35.089,17.316
  POWER w0.203: v1(17.565,24.626) 18.533,25.595 24.565,25.595 31.533,18.626 v1(33.434,18.626)
  Bottom Layer w0.203: v1(33.434,18.626) v1@33.492,18.567
DRS_PWR_8V_EN: CN2.21 IC1.77 | length 32.9
  Top Layer w0.254: v1(28.935,13.746) 28.935,13.649 28.778,13.493 28.778,12.771 28.715,12.708 28.715,12.476 28.778,12.413 28.778,12.346 29.252,11.872 IC1.77@29.252,11.839
  Bottom Layer w0.254: v1(28.935,13.746) 30.478,12.203 30.478,11.839 32.565,9.752 33.878,9.677 43.174,9.677 ccw(c43.548,11.52) 43.665,9.644 44.681,9.677 45.459,9.677 45.534,9.603 47.424,7.713 52.492,7.713 53.968,9.189 53.968,11.277 54.091,11.4 CN2.21@54.16,11.4
DSBD_PWR_EN: CN1.8 IC1.43 | length 36.3
  Top Layer w0.203: IC1.43@20.447,24.887 21.454,23.88 22.333,23.88 22.896,23.317 23.089,23.317 23.098,23.308 23.17,23.308 23.592,22.885 24.067,22.885 24.084,22.868 24.223,22.868 24.466,22.625 v1(24.576,22.625)
  Bottom Layer w0.203: CN1.8@1.84,21 2.814,21 4.8,22.987 4.8,27.102 5.513,27.815 6.693,27.815 8.012,29.134 17.008,29.134 21.196,24.946 21.312,24.946 22.563,23.695 23.55,23.695 24.153,23.092 24.153,23.065 24.576,22.642 v1(24.576,22.625)
EC800M_PWR_8V_EN: CN1.12 IC1.63 | length 35.1
  Top Layer w0.203: IC1.63@22.096,15.729 22.744,16.378 22.744,16.483 23.81,17.549 23.848,17.549 24.536,18.237 v1(24.544,18.237)
  Bottom Layer w0.203: CN1.12@1.84,17.8 2.34,17.8 2.636,17.504 2.695,17.504 4.8,15.399 4.8,10.898 5.182,10.516 16.835,10.516 23.647,17.328 23.647,17.34 v1(24.544,18.237)
ENERGE_METER_PWR_EN: CN1.13 IC1.64 | length 35.7
  Top Layer w0.203: IC1.64@22.421,15.348 23.096,16.022 23.096,16.223 23.1,16.227 23.1,16.336 23.957,17.193 24.724,17.193 v1(25.217,17.686)
  Bottom Layer w0.203: CN1.13@1.84,17 2.34,17 2.636,16.704 2.695,16.704 4.445,14.954 4.445,10.75 5.035,10.16 16.982,10.16 24.015,17.193 24.724,17.193 v1(25.217,17.686)
FAN1_PWR_EN: CN2.29 IC1.92 | length 44.5
  Top Layer w0.203: v1(29.111,20.114) 29.221,20.114 29.363,19.972 29.426,19.972 31.135,18.263 32.863,18.263 33.219,17.907 33.791,17.907 IC1.92@34.572,17.126
  Bottom Layer w0.203: v1(29.111,20.114) 29.111,16.624 31.943,13.792 38.394,13.792 38.445,13.741 43.463,13.741 43.623,13.585 44.515,12.71 cw(c44.373,12.565) 44.516,12.709 ; 44.517,12.709 45.049,12.177 ; 45.05,12.176 ccw(c45.193,12.32) 45.064,12.163 45.067,12.163 45.088,12.142 45.688,12.142 46.598,11.232 46.842,10.986 ccw(c48.225,12.183) 47.038,10.792 47.65,10.18 48.229,9.601 50.406,9.601 50.99,10.185 51.555,10.75 51.555,12.75 51.555,14.657 52.553,15.655 52.553,16.558 52.565,16.571 52.565,16.765 53.305,17.504 53.364,17.504 53.66,17.8 CN2.29@54.16,17.8